# Altium PCB PCB_LoraRemote.PcbDoc (continued)
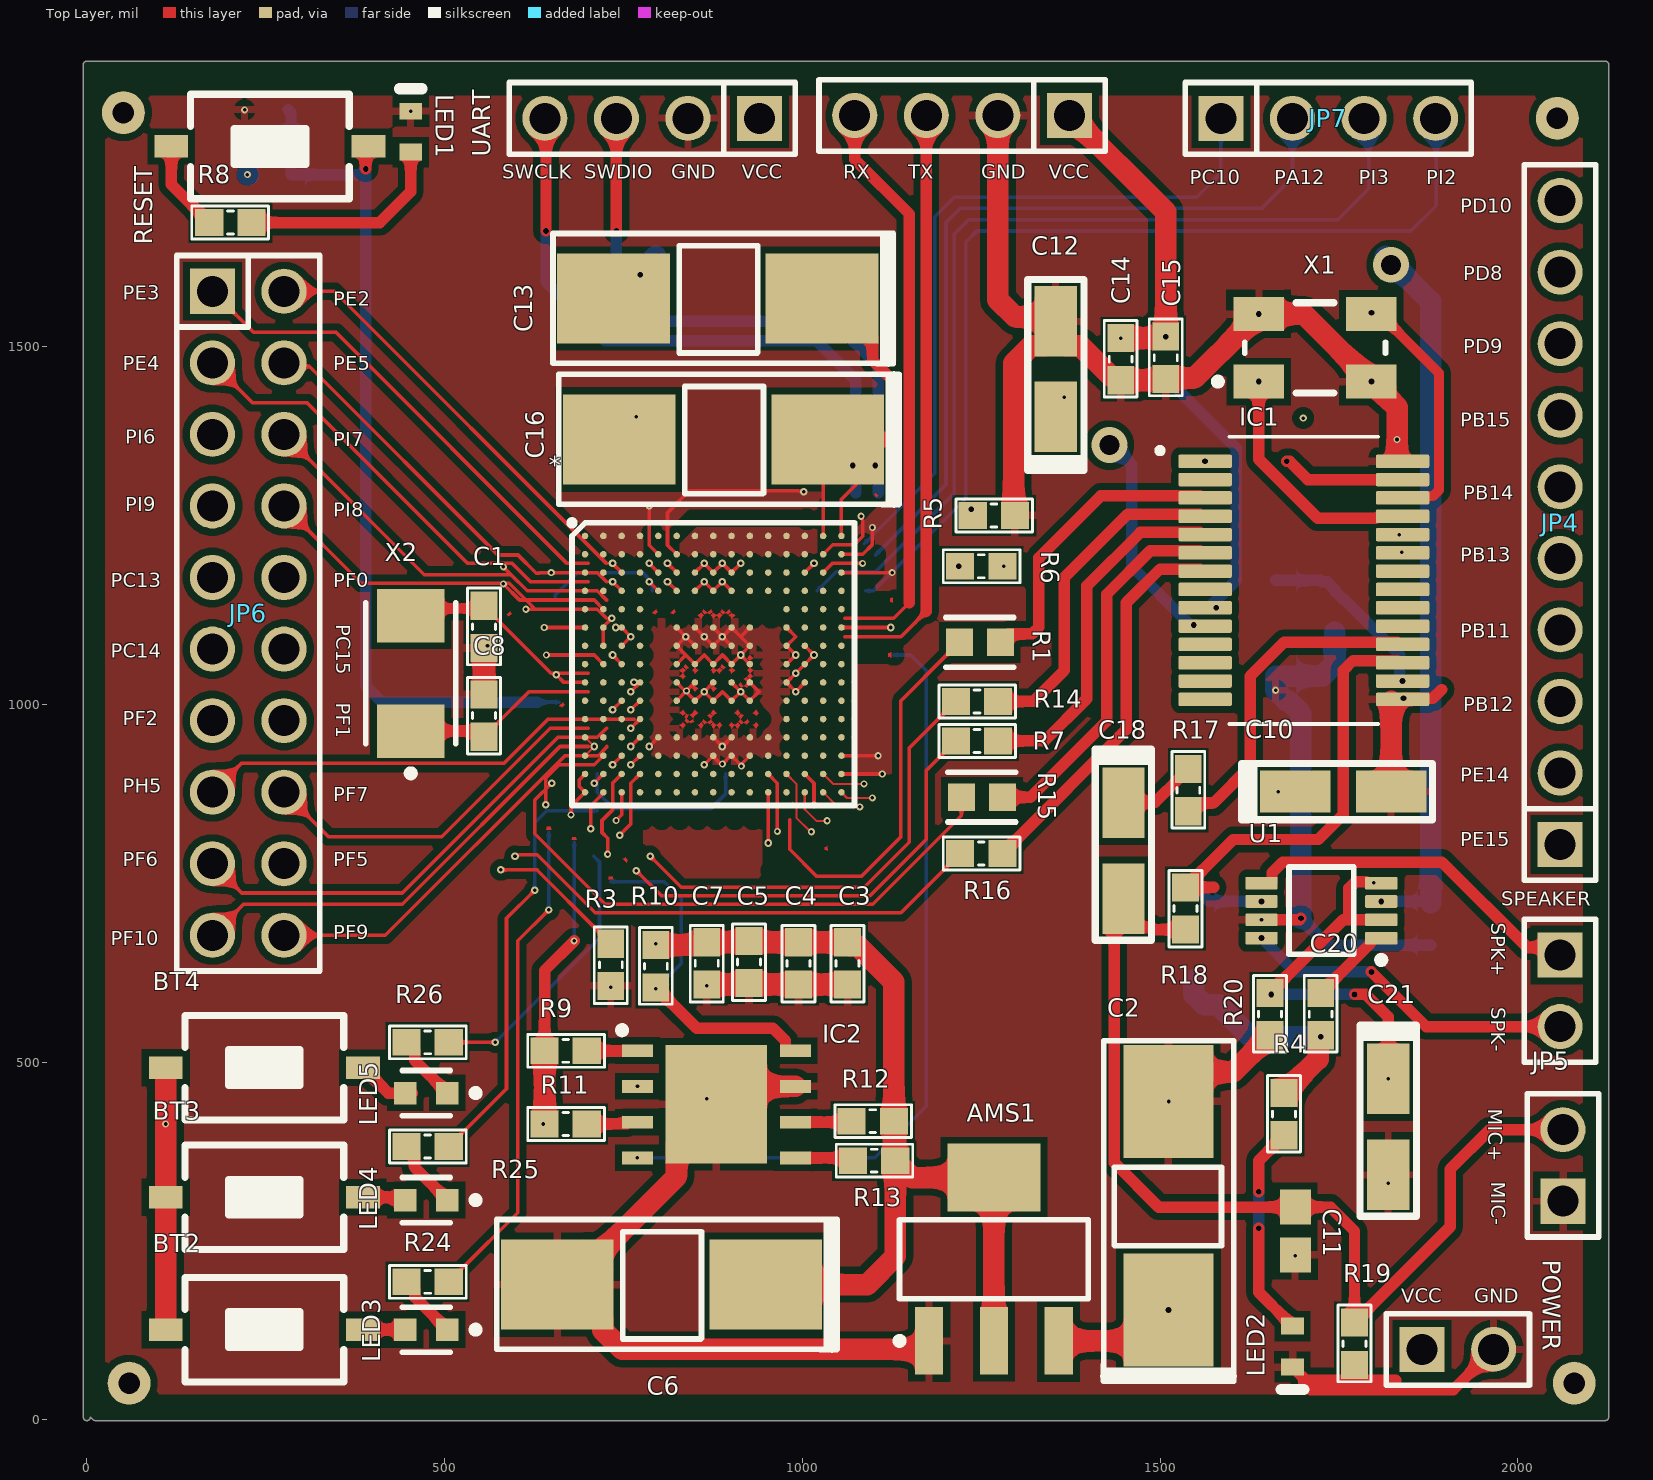
[diagram p0: Top Layer view]
## Footprints (in the part's own frame and the unit in brackets; to place one, negate y for a bottom-side part, rotate by r counter-clockwise, add the part's x,y. Pads: shape width x height; smd on the part's side, far side on the other; paste and mask are expansions set on the pad)
ABRA-ABM3-2_V [mm] "SMD, 2-Leads, Body 5x3.2mm, Pitch 4.1mm"
  rect 1.9x2.4 smd: 1(-2.05,0) 2(2.05,0)
  silkscreen extent -3.67,-1.6 2.5,1.6, body extent -2.5,-1.6 2.5,1.6, height 1.3
ABRA-ABM3B-4_V [mm] "SMD, 4-Leads, Body 5x3.2mm"
  rect 1.8x1.2 smd: 1(-2,-1.2) 2(2,-1.2) 3(2,1.2) 4(-2,1.2)
  silkscreen extent -3.57,-1.6 2.5,1.6, body extent -2.5,-1.59 2.5,1.59, height 1.13
CAPC1608X90X35ML15T15 [mm] "Chip Capacitor, 2-Leads, Body 1.60x0.81mm, IPC Low Density"
  rect 1.25x1.1 smd: 1(-0.85,0) 2(0.85,0)
  body extent -0.88,-0.48 0.87,0.48, height 0.9
DGK0008A_L [mm] "TSOP, 8-Leads, Body 3.1x3.1mm, Pitch 0.65mm, IPC High Density"
  rrect22% 1.15x0.45 smd: 1(-2.125,0.975) 2(-2.125,0.325) 3(-2.125,-0.325) 4(-2.125,-0.975) 5(2.125,-0.975) 6(2.125,-0.325) 7(2.125,0.325) 8(2.125,0.975)
  silkscreen extent -2.25,-1.55 1.15,1.87, body extent -2.45,-1.5 2.45,1.5, height 0.94
FP-CRCW0603-HPe3-IPC_B [mil]
  rect 37.72x37.88 smd paste+0 mask+0: 1(-28.62,0) 2(28.62,0)
  silkscreen extent -47,-35 47,35, body extent -57,-29 57,29, height 10
FP-LTST-C191TBKT-MFG [mm]
  rect 0.8x0.8 smd paste+0 mask+0: 1(-0.75,0) 2(0.75,0)
  silkscreen extent -1.88,-0.8 0.85,0.8, body extent -1.25,-0.55 1.25,0.55, height 0.25
"JP 1x2 DT" [mm] "2 pins, 1 row, straight, gold plating"
  rect 1.6x1.6 hole 1.1: 1(0,0)
  round 1.6 hole 1.1: 2(2.54,0)
  silkscreen extent -1.27,-1.27 3.81,1.27, body extent -1.27,-1.27 3.81,1.27, height 8.54
"JP 1x4 DT" [mm] "4 pins, 1 row, straight, gold plating"
  rect 1.6x1.6 hole 1.1: 1(0,0)
  round 1.6 hole 1.1: 2(2.54,0) 3(5.08,0) 4(7.62,0)
  silkscreen extent -1.27,-1.27 8.89,1.27, body extent -1.27,-1.27 8.89,1.27, height 8.54
"JP 1x10 DT" [mm] "10 pins, 1 row, straight, gold plating"
  rect 1.6x1.6 hole 1.1: 1(0,0)
  round 1.6 hole 1.1: 2(2.54,0) 3(5.08,0) 4(7.62,0) 5(10.16,0) 6(12.7,0) 7(15.24,0) 8(17.78,0) 9(20.32,0) 10(22.86,0)
  silkscreen extent -1.27,-1.27 24.13,1.27, body extent -1.27,-1.27 24.13,1.27, height 8.54
"JP 2x10 DT" [mm] "20 pins, dual pin, straight, gold plating"
  rect 1.6x1.6 hole 1.1: 1(-11.43,-1.27)
  round 1.6 hole 1.1: 2(-8.89,-1.27) 3(-6.35,-1.27) 4(-3.81,-1.27) 5(-1.27,-1.27) 6(1.27,-1.27) 7(3.81,-1.27) 8(6.35,-1.27) 9(8.89,-1.27) 10(11.43,-1.27) 11(11.43,1.27) 12(8.89,1.27) 13(6.35,1.27) 14(3.81,1.27) 15(1.27,1.27) 16(-1.27,1.27) 17(-3.81,1.27) 18(-6.35,1.27) 19(-8.89,1.27) 20(-11.43,1.27)
  silkscreen extent -12.7,-2.54 12.7,2.54, body extent -12.7,-2.54 12.7,2.54, height 8.55
"Nut Nhan 2 Chan SMD 3x6x2.5" [mm] "Switch SMD type"
  rect 1.2x0.8 smd: 1(-3.5,0) 2(3.5,0)
  silkscreen extent -2.82,-1.85 2.82,1.85, body extent -3.05,-1.85 3.05,1.85, height 2.5
SON127P600X500X100-9N-D [mm]
  rect 1.1x0.45 smd: 1(-2.8,1.905) 2(-2.8,0.635) 3(-2.8,-0.635) 4(-2.8,-1.905) 5(2.8,-1.905) 6(2.8,-0.635) 7(2.8,0.635) 8(2.8,1.905)
  rect 3.6x4.2 smd: 9(0,0)
  silkscreen extent -3.47,2.51 -3.22,2.75, body extent -3.05,-2.5 3.05,2.5, height 1
SOT223 [mm]
  rect 1x2.4 smd: 1(-2.3,-2.9) 2(0,-2.9) 3(2.3,-2.9)
  rect 3.3x2.4 smd: 4(0,2.9)
  silkscreen extent -3.47,-3.02 3.35,1.4, body extent -3.25,-3.56 3.25,3.4, height 1.68
stm32f407BGA176 [mm]
  round 0.232 smd: A1(-4.55,4.55) A2(-3.9,4.55) A3(-3.25,4.55) A4(-2.6,4.55) A5(-1.95,4.55) A6(-1.3,4.55) A7(-0.65,4.55) A8(0,4.55) A9(0.65,4.55) A10(1.3,4.55) A11(1.95,4.55) A12(2.6,4.55) A13(3.25,4.55) A14(3.9,4.55) A15(4.55,4.55) B1(-4.55,3.9) B2(-3.9,3.9) B3(-3.25,3.9) B4(-2.6,3.9) B5(-1.95,3.9) B6(-1.3,3.9) B7(-0.65,3.9) B8(0,3.9) B9(0.65,3.9) B10(1.3,3.9) B11(1.95,3.9) B12(2.6,3.9) B13(3.25,3.9) B14(3.9,3.9) B15(4.55,3.9) C1(-4.55,3.25) C2(-3.9,3.25) C3(-3.25,3.25) C4(-2.6,3.25) C5(-1.95,3.25) C6(-1.3,3.25) C7(-0.65,3.25) C8(0,3.25) C9(0.65,3.25) C10(1.3,3.25) C11(1.95,3.25) C12(2.6,3.25) C13(3.25,3.25) C14(3.9,3.25) C15(4.55,3.25) D1(-4.55,2.6) D2(-3.9,2.6) D3(-3.25,2.6) D4(-2.6,2.6) D5(-1.95,2.6) D6(-1.3,2.6) D7(-0.65,2.6) D8(0,2.6) D9(0.65,2.6) D10(1.3,2.6) D11(1.95,2.6) D12(2.6,2.6) D13(3.25,2.6) D14(3.9,2.6) D15(4.55,2.6) E1(-4.55,1.95) E2(-3.9,1.95) E3(-3.25,1.95) E4(-2.6,1.95) E12(2.6,1.95) E13(3.25,1.95) E14(3.9,1.95) E15(4.55,1.95) F1(-4.55,1.3) F2(-3.9,1.3) F3(-3.25,1.3) F4(-2.6,1.3) F6(-1.3,1.3) F7(-0.65,1.3) F8(0,1.3) F9(0.65,1.3) F10(1.3,1.3) F12(2.6,1.3) F13(3.25,1.3) F14(3.9,1.3) F15(4.55,1.3) G1(-4.55,0.65) G2(-3.9,0.65) G3(-3.25,0.65) G4(-2.6,0.65) G6(-1.3,0.65) G7(-0.65,0.65) G8(0,0.65) G9(0.65,0.65) G10(1.3,0.65) G12(2.6,0.65) G13(3.25,0.65) G14(3.9,0.65) G15(4.55,0.65) H1(-4.55,0) H2(-3.9,0) H3(-3.25,0) H4(-2.6,0) H6(-1.3,0) H7(-0.65,0) H8(0,0) H9(0.65,0) H10(1.3,0) H12(2.6,0) H13(3.25,0) H14(3.9,0) H15(4.55,0) J1(-4.55,-0.65) J2(-3.9,-0.65) J3(-3.25,-0.65) J4(-2.6,-0.65) J6(-1.3,-0.65) J7(-0.65,-0.65) J8(0,-0.65) J9(0.65,-0.65) J10(1.3,-0.65) J12(2.6,-0.65) J13(3.25,-0.65) J14(3.9,-0.65) J15(4.55,-0.65) K1(-4.55,-1.3) K2(-3.9,-1.3) K3(-3.25,-1.3) K4(-2.6,-1.3) K6(-1.3,-1.3) K7(-0.65,-1.3) K8(0,-1.3) K9(0.65,-1.3) K10(1.3,-1.3) K12(2.6,-1.3) K13(3.25,-1.3) K14(3.9,-1.3) K15(4.55,-1.3) L1(-4.55,-1.95) L2(-3.9,-1.95) L3(-3.25,-1.95) L4(-2.6,-1.95) L12(2.6,-1.95) L13(3.25,-1.95) L14(3.9,-1.95) L15(4.55,-1.95) M1(-4.55,-2.6) M2(-3.9,-2.6) M3(-3.25,-2.6) M4(-2.6,-2.6) M5(-1.95,-2.6) M6(-1.3,-2.6) M7(-0.65,-2.6) M8(0,-2.6) M9(0.65,-2.6) M10(1.3,-2.6) M11(1.95,-2.6) M12(2.6,-2.6) M13(3.25,-2.6) M14(3.9,-2.6) M15(4.55,-2.6) N1(-4.55,-3.25) N2(-3.9,-3.25) N3(-3.25,-3.25) N4(-2.6,-3.25) N5(-1.95,-3.25) N6(-1.3,-3.25) N7(-0.65,-3.25) N8(0,-3.25) N9(0.65,-3.25) N10(1.3,-3.25) N11(1.95,-3.25) N12(2.6,-3.25) N13(3.25,-3.25) N14(3.9,-3.25) N15(4.55,-3.25) P1(-4.55,-3.9) P2(-3.9,-3.9) P3(-3.25,-3.9) P4(-2.6,-3.9) P5(-1.95,-3.9) P6(-1.3,-3.9) P7(-0.65,-3.9) P8(0,-3.9) P9(0.65,-3.9) P10(1.3,-3.9) P11(1.95,-3.9) P12(2.6,-3.9) P13(3.25,-3.9) P14(3.9,-3.9) P15(4.55,-3.9) R1(-4.55,-4.55) R2(-3.9,-4.55) R3(-3.25,-4.55) R4(-2.6,-4.55) R5(-1.95,-4.55) R6(-1.3,-4.55) R7(-0.65,-4.55) R8(0,-4.55) R9(0.65,-4.55) R10(1.3,-4.55) R11(1.95,-4.55) R12(2.6,-4.55) R13(3.25,-4.55) R14(3.9,-4.55) R15(4.55,-4.55)
  silkscreen extent -5.12,-5.02 5.02,5.12, body extent -5,-5 5,5, height 0.6
"tro smd 0603" [mm] "Chip Capacitor, 2-Leads, Body 1,60x0,80mm, IPC Medium Density"
  rect 1x0.95 smd mask+0.076: 1(-0.75,0) 2(0.75,0)
  silkscreen extent -1.35,-0.58 1.37,0.58, body extent -0.82,-0.42 0.82,0.43, height 0.44
"tu 0603" [mm] "Chip Capacitor, 2-Leads, Body 1,60x0,80mm, IPC Medium Density"
  rect 1x0.95 smd mask+0.076: 1(-0.75,0) 2(0.75,0)
  silkscreen extent -1.35,-0.58 1.37,0.58, body extent -0.8,-0.4 0.8,0.4, height 0.9
"tu tantalum smd3216" [mm]
  rect 2.5x1.5 smd: 1(-1.7,0) 2(1.7,0)
  silkscreen extent -3.61,-1 3.17,1, body extent -1.7,-0.9 1.7,0.9, height 1.69
"tu tantalum smd7343" [mm]
  rect 4x3.2 smd: 1(-3.7,0) 2(3.7,0)
  silkscreen extent -6.23,-2.31 5.85,2.31, body extent -3.75,-2.33 3.85,2.27, height 3.99
VISH-TLMS1000_V [mm] "SMD, 2-Leads, Body 0.8x1.6mm"
  rect 0.6x0.8 smd: 1(-0.725,0) 2(0.725,0)
  silkscreen extent 1.52,-0.4 1.52,0.4, body extent -0.8,-0.4 0.8,0.4, height 0.65
VISH-TLMY1000_V [mm] "SMD, 2-Leads, Body 1.6x0.8mm"
  rect 0.6x0.8 smd: 1(-0.725,0) 2(0.725,0)
  silkscreen extent 1.53,-0.4 1.53,0.4, body extent -0.8,-0.4 0.8,0.4, height 0.65
WM8731_SSOP [mm]
  rrect25% 1.9x0.48 smd: 1(-3.505,4.225) 2(-3.505,3.575) 3(-3.505,2.925) 4(-3.505,2.275) 5(-3.505,1.625) 6(-3.505,0.975) 7(-3.505,0.325) 8(-3.505,-0.325) 9(-3.505,-0.975) 10(-3.505,-1.625) 11(-3.505,-2.275) 12(-3.505,-2.925) 13(-3.505,-3.575) 14(-3.505,-4.225) 15(3.505,-4.225) 16(3.505,-3.575) 17(3.505,-2.925) 18(3.505,-2.275) 19(3.505,-1.625) 20(3.505,-0.975) 21(3.505,-0.325) 22(3.505,0.325) 23(3.505,0.975) 24(3.505,1.625) 25(3.505,2.275) 26(3.505,2.925) 27(3.505,3.575) 28(3.505,4.225)
  silkscreen extent -5.2,-5.1 2.65,5.1, body extent -3.9,-5.1 3.9,5.1, height 2

## Part data
AMS1: library part "AMS1117 SMD", "Dán", Chung_Loai=Dán, Don_Vi=Con, Ma_Hang=MH000596
C1 C8 C17 C19: library part "Tu 0603 22pF 50V 10%", "Dán", Chung_Loai=Dán, Don_Vi=Con, Ma_Hang=MH004570, So_Chan=2, Ten_Linh_Kien="Tụ 0603 22pF 50V 10%"
C2 C6: library part "Tu tantalum 470uF 10V SMD7343", "Dán", Chung_Loai=Dán, Don_Vi=Con, Ma_Hang=MH001956, So_Chan=2, Ten_Linh_Kien="Tụ tantalum 477A-470uF 10V SMD7343"
C3 C4 C5 C7 C9 C14 C15 C22: library part "Tu 0603 104 50V 10%", "Dán", Chung_Loai=Dán, Don_Vi=Con, Ma_Hang=MH004568, So_Chan=2, Ten_Linh_Kien="Tụ 0603 104-100nF 10% 50V"
C10 C12 C24: library part "Tu tantalum 10uF 16V SMD3216", "Dán", Chung_Loai=Dán, Don_Vi=Con, Ma_Hang=MH001954, So_Chan=2, Ten_Linh_Kien="Tụ tantalum 106C-10uF 16V SMD3216"
C11: library part CMP-2006-04408-1, Manufacturer="AVX Interconnect / Elco", Part Number=06035C221KAT2A
C13 C16: library part "Tu tantalum 220uF 10V SMD7343", "Dán", Chung_Loai=Dán, Don_Vi=Con, Ma_Hang=MH007496, So_Chan=2, Ten_Linh_Kien="Tụ tantalum 227A-220uF 10V SMD 7343"
C18: library part "Tu tantalum 1uF 25V SMD3216", "Dán", Chung_Loai=Dán, Don_Vi=Con, Ma_Hang=MH007472, So_Chan=2, Ten_Linh_Kien="Tụ tantalum 105E-1uF 25V SMD3216"
C20: library part "Tu 0603 105 16V 20%", "Dán", Chung_Loai=Dán, Don_Vi=Con, Ma_Hang=MH004574, So_Chan=2, Ten_Linh_Kien="Tụ 0603 105-1uF 20% 16V"
C21 C23: library part "Tu tantalum 1uF 35V SMD3216", "Dán", Chung_Loai=Dán, Don_Vi=Con, Ma_Hang=MH007471, So_Chan=2, Ten_Linh_Kien="Tụ tantalum 105V-1uF 35V SMD3216"
IC1: library part WM8731_SSOP
IC2: "Integrated Circuit", Manufacturer_Name="Adesto Technologies", Mouser Part Number=556-AT45DB321D-MU, Datasheet Link=https://www.adestotech.com/wp-content/uploads/doc3597.pdf, HEIGHT=1mm, Manufacturer_Part_Number=AT45DB321D-MU, Mouser Price/Stock=https://www.mouser.co.uk/ProductDetail/Adesto-Technologies/AT45DB321D-MU?qs=S%2FDyAMLKE9jfaspXvIc%252B6Q%3D%3D
JP4: library part "JP 1x10 2.54 Duc Thang", "Cắm", Chung_Loai=Cắm, Don_Vi=Con, Ma_Hang=MH000903, Ten_Linh_Kien="Jump Đơn Đực 2.54MM 1x40P Thẳng 11MM"
JP5 POWER SPEAKER: library part "JP 1x2 2.54 Duc Thang", "Cắm", Chung_Loai=Cắm, Don_Vi=Con, Ma_Hang=MH000903, Ten_Linh_Kien="Jump Đơn Đực 2.54MM 1x40P Thẳng 11MM"
JP6: library part "JP 2x10 2.54 Duc Thang", "Cắm", Chung_Loai=Cắm, Don_Vi=Con, Ma_Hang=MH002686, Ten_Linh_Kien="Jump Đôi Đực 2.54MM 2x40P Thẳng 11MM"
JP7 UART ?: library part "JP 1x4 2.54 Duc Thang", "Cắm", Chung_Loai=Cắm, Don_Vi=Con, Ma_Hang=MH000903, Ten_Linh_Kien="Jump Đơn Đực 2.54MM 1x40P Thẳng 11MM"
LED1: library part CMP-2000-07255-1, "Low Current LED, 40 mW, -40 to 100 degC, 2-Pin SMD, RoHS, Tape and Reel", Forward Current If=2mA, Forward Voltage=1.8V, LED Colour=Yellow, Manufacturer=Vishay, Package Description="2-Pin Surface Mount Device, Body 1.6 x 0.8 mm", Package Reference=TLMY1000, Automotive Qualification Standard=AEC-Q100, Bulb Size=1.6mmx0.8mm, Datasheet URL=http://www.vishay.com/docs/83172/tlmo1000.pdf, Datasheet Version="Rev. 2.0, 09/2013", LED Mounting=SMD, Lens Shape=Rectangular, Luminous Intensity=7.5mcd, Manufacturer URL=http://www.vishay.com/, Mounting Technology=SurfaceMount, MSL=MSL2-1year, Packaging=CutTape, Product Range=-, SVHC=ToBeAdvised, Viewing Angle=80°, Wavelength Typ=595nm
LED2: library part CMP-2000-07254-1, "Low Current LED, 40 mW, 1.8 V, -40 to 100 degC, 2-Pin SMD (0603), RoHS, Tape and Reel", Forward Current If=2mA, Forward Voltage=1.8V, LED Colour=Red, Manufacturer=Vishay, Package Description="2-Pin Surface Mount Device, Body 1.6 x 0.8 mm", Package Reference=TLMS1000, Automotive Qualification Standard=AEC-Q100, Bulb Size=1.6mmx0.8mm, Datasheet URL=https://datasheet.ciiva.com/5798/1698881-5798337.pdf, Datasheet Version="Rev. 1.7, 02/2011", LED Mounting=SMD, Lens Shape=Rectangular, Luminous Intensity=4mcd, Manufacturer URL=http://www.vishay.com/, Mounting Technology=SurfaceMount, MSL=MSL2-1year, Packaging=CutTape, Product Range=-, SVHC=ToBeAdvised, Viewing Angle=80°, Wavelength Typ=636nm
LED3 LED4 LED5: library part CMP-22017-000008-1, "LED BLUE CLEAR CHIP SMD", Case Code (Imperial)=0603, Case Code (Metric)=1608, Color=Blue, Forward Current=20mA, Forward Voltage=3.8V, Lens Color=Colorless, Max Operating Temperature=80°C, Max Power Dissipation=75mW, Min Operating Temperature=-20°C, Package Quantity=1, Power Dissipation=76mW, Reverse Voltage=5V, Case/Package=0603, Depth=1.6mm, Dominant Wavelength=475nm, HEIGHT=0.55mm, Illumination Color=Blue, Lead Free="Lead Free", Length=0.8mm, Lens Style=Diffused, Lens Transparency=Clear, Luminous Intensity=180mcd, Mount="Surface Mount", Number of Elements=1, Number of LEDs=1, Number of Pins=2, Packaging="Tape and Reel", Radiation Hardening=No, Test Current=20mA, Viewing Angle=130°, Wavelength=468nm, Width=0.8mm
R1 R7: library part CMP-02407-007306-1, "RES Thick Film, 27Ω, 1%, 0.33W, 100ppm/°C, 0603", Case Code (Imperial)=0603, Case Code (Metric)=1608, Max Operating Temperature=155°C, Max Power Dissipation=250mW, Min Operating Temperature=-55°C, Package Quantity=5000, Temperature Coefficient=100ppm/°C, Tolerance=1%, Voltage Rating=75V, Case/Package=0603, Composition="Thick Film", Contact Plating=Tin, Depth=0.85mm, Features="Automotive AEC-Q200", HEIGHT=0.45mm, Lead Free="Lead Free", Length=1.6mm, Military Standard=Not, Mount="Surface Mount", Number of Terminations=2, Packaging="Tape and Reel", Power Rating=250mW, Radiation Hardening=No, Resistance=27R, Termination=SMD/SMT, Voltage Rating (DC)=75V, Width=0.033inch
R2: library part "Tro 0603 5% 10k", "Dán", Chung_Loai=Dán, Don_Vi=Con, Ma_Hang=MH006316, So_Chan=2, Ten_Linh_Kien="Trở 0603 5% 10k"
R3 R5 R6 R9 R10 R11 R12 R13: library part "Tro 0603 1% 10k", "Dán", Chung_Loai=Dán, Don_Vi=Con, Ma_Hang=MH006333, So_Chan=2, Ten_Linh_Kien="Trở 0603 1% 10k"
R4 R8 R24 R25 R26: library part "Tro 0603 5% 220R", "Dán", Chung_Loai=Dán, Don_Vi=Con, Ma_Hang=MH006322, So_Chan=2, Ten_Linh_Kien="Trở 0603 5% 220R"
R14 R15 R16: library part "Tro 0603 1% 1k", "Dán", Chung_Loai=Dán, Don_Vi=Con, Ma_Hang=MH006334, So_Chan=2, Ten_Linh_Kien="Trở 0603 1% 1k"
R17: library part "Tro 0603 5% 330R", "Dán", Chung_Loai=Dán, Don_Vi=Con, Ma_Hang=MH006910, So_Chan=2, Ten_Linh_Kien="Trở 0603 5% 330R"
R18: library part "Tro 0603 1% 680R", "Dán", Chung_Loai=Dán, Don_Vi=Con, Ma_Hang=MH006336, So_Chan=2, Ten_Linh_Kien="Trở 0603 1% 680R"
R19 R20 R21: library part "Tro 0603 5% 47k", "Dán", Chung_Loai=Dám, Don_Vi=Con, Ma_Hang=MH007665, So_Chan=2, Ten_Linh_Kien="Trở 0603 5% 47k"
U1: library part CMP-0057-00542-3, "3W Audio Power Amplifier with Shutdown Mode, 8-pin Mini SOIC, Pb-Free", Manufacturer="Texas Instruments", PackageTopMarking=ZXTT*G71, PowerWise=N, Code_JEDEC=MO-187-AA, ComponentLink1Description="Datasheet URL", ComponentLink1URL=http://www.ti.com/general/docs/lit/getliterature.tsp?genericPartNumber=LM4871&fileType=pdf, CompType="Audio IC", PackageDescription="MINI SOIC, .118 x .118 x .034in, 8 Lead, .0256in Pitch", PackageReference=DGK0008A, PinCount=8, RoHS=Y
X1: library part CMP-1688-00004-1, "Ceramic SMD Crystal, 12.288 MHz, +/- 20 ppm, 70 Ohm, -20 to 70 degC, 4-Pin SMD, RoHS, Tape and Reel", Case\Package=TO-236-3, Forward Voltage="1 V", Max Operating Temperature="125 degC", Max Surge Current="600 mA", Min Operating Temperature="-55 degC", Package Quantity=1, ComponentLink1Description="Manufacturer URL", ComponentLink1URL=http://www.abracon.com/, ComponentLink2Description=Datasheet, ComponentLink2URL=http://www.abracon.com/Resonators/abm3b.pdf, DatasheetVersion=Aug-15, Mount="Surface Mount", PackageDescription="4-Pin Surface Mount Device, Body 5 x 3.2 mm", PackageReference=ABM3B, Packaging="Tape and Reel", Pins=3, Radiation Hardening=No, REACH SVHC=Unknown, RoHSCompliant=true, Weight="0.00031 oz"
X2: library part CMP-2000-05033-1, "Miniature Ceramic Crystal, 8 MHz, -40 to 85 degC, 2-Pin SMD, RoHS, Tape and Reel", Case Height=1.3mm, Case Length=5mm, Case Width=3.2mm, Frequency=8MHz, Frequency Stability=30PPM, Load Capacitance=18pF, Manufacturer=ABRACON, Operating Temperature Range=-40Cto+85C, Package / Case=5mmx3.2mm, Package Description="2-Pin Surface Mount Device, Body 5 x 3.2 mm", Package Reference=ABM3-2, Tolerance=20PPM, Brand=ABRACON, Datasheet URL=http://www.farnell.com/datasheets/1754353.pdf, Datasheet Version=Sep-13, Dimensions=3.2mmWx5mmLx1.3mmH, ESR=140Ohms, Factory Pack Quantity=1000, Manufacturer URL=http://www.abracon.com/, Mounting Style=SMD/SMT, Package URL=http://www.abracon.com/Support/PackageDrawing/Resonators/ABM3.PDF, Packaging=Reel, Product Category=Crystals, RoHS=Details, Series=ABM3, Termination Style=SMD/SMT, Type=MiniatureCeramicCrystal
BT2 BT3 BT4 RESET: Ma_Hang=MH001036, Ten="Nút Nhấn 2 Chân 3x6x2.5MM SMD"

## Free pads (board coordinates)
  round 60 hole 30: 2(2055.12,1818.9) 3(2078.74,51.18) 4(59.06,51.18) 5(51.18,1826.77)

## Via types
v1: diameter 10, hole 5, Top Layer to Bottom Layer, tented both sides, 55 vias
v2: diameter 10.63, hole 5, Top Layer to Bottom Layer, tented both sides, 52 vias
v3: diameter 8, hole 8, Top Layer to Bottom Layer, tented both sides, 32 vias
v4: diameter 10, hole 5, Top Layer to Bottom Layer, 3 vias
v5: diameter 50, hole 28, Top Layer to Bottom Layer, tented both sides, 2 vias

## Nets (pads, with @x,y where several pads share a name; then routed paths per layer and width w, separated by ;. In a path a pad name is that pad's centre, name@x,y a point inside that pad or via, vN(x,y) a via of type N, cw(c..) or ccw(c..) an arc to the next point about the centre after c; other vN are vias at no path point)
3.3V: *.C1 *.C5 *.C7 *.C8 *.C9 *.C15 *.F3 *.G3 *.G13 *.H13 *.J12 *.J13 *.K4 *.N8 *.N9 *.N10 *.P1 *.R1 *.R3 ?.1 AMS1.2 AMS1.4 BT2.1 BT3.1 BT4.1 C3.1 C4.1 C5.1 C6.1 C7.1 C10.1 C12.1 C14.2 C15.2 C20.1 C23.1 IC1.1 IC1.27 R2.2 R4.2 R6.2 R9.1 R10.2 R11.1 R12.2 R13.2 UART.1 | length 8738.2
  Top Layer w5: v1(649.13,1184.06) *.C1 ; v1(676.69,845.47) 676.69,857.28 *.R1 688.5,884.84 688.5,894.69 *.P1 ; v1(739.69,837.6) 747.56,845.47 *.R3 ; *.G3 v2(760.35,1094.49) *.F3 ; v2(760.35,992.13) *.K4 ; v2(785.94,1196.85) *.C5 ; *.C7 v2(862.72,1196.85) *.C8 v2(888.31,1196.85) *.C9 v2(913.9,1196.85) ; v2(862.72,915.35) *.N8 875.51,927.03 877.58,924.96 877.58,924.9 887.13,915.35 v4(888.31,916.54) *.N9@899.92,928.15 ; *.N9 913.9,915.35 *.N10 ; *.J13 v2(990.67,1017.72) *.J12 v2(990.67,1043.31) *.H13 v2(1016.26,1068.9) *.G13 ; *.C15 v1(1125.51,1184.06)
  Top Layer w16: R9.1 639.76,627.95 v1(681.1,669.29) ; v3(1676.97,1339.57) 1680.91,1339.57 1706.5,1313.98 IC1.27
  Top Layer w30: BT2.1 BT3.1 v1(110.24,413.39) BT4.1@110.24,484.25 ; v1(637.8,413.39) R11.1 R9.1 ; R10.2@812.37,663.39 862.69,663.39 866.39,667.09 C7.1 C3.1 1063.24,666.4 1066.94,662.7 1077.46,662.7 1127.95,612.2 R12.2 1128.94,416.34 1128.94,363.19 R13.2 ; C6.1 1090.55,188.98 1129.92,228.35 R13.2 ; AMS1.2 AMS1.4 1153.54,338.58 1134.61,357.52 1134.61,358.5 1130.91,362.2 R13.2 ; ?.1 1507.87,1688.19 v3(1507.87,1513.78) 1505.91,1511.81 v1(1444.88,1511.81) ; R4.2 1673.23,457.68 1676.93,461.38 1677.91,461.38 1720.71,504.17 C20.1@1720.71,533.7
  Layer1_VCC w3: 1020.67,1030.51 1088.62,1030.51
  Layer1_VCC w5: 681.1,807.09 736.22,807.09 744.09,799.21 ; 790.35,1158.47 768.7,1158.47 764.76,1154.53 764.76,1056.1 779.53,1041.34 779.53,968.5 764.76,953.74 856.26,953.74 867.13,942.87 867.13,876.97 ; 918.31,1158.47 918.31,1091.69 930,1080 1000,1080 1020,1060 1020,1031.18 1020.67,1030.51 ; 1088.62,1030.51 1144.69,1030.51 1194.88,1080.71 1194.88,1145.67 ; 1129.92,1145.67 1194.88,1145.67 ; v1(1281.5,1192.91) 1275.59,1187.01 1275.59,1161.42 1259.84,1145.67 1194.88,1145.67
  Layer1_VCC w16: v3(1507.87,1513.78) 1555.12,1466.54 1555.12,1342.52 1669.29,1342.52 ; v1(1665.35,877.95) 1692.91,905.51 1692.91,1323.62 v3(1676.97,1339.57)
  Layer1_VCC w30: v1(110.24,413.39) v1(637.8,413.39) ; v1(224.41,1740.16) 267.72,1696.85 889.76,1696.85 923.23,1730.31 ; UART.1 940.16,1747.24 923.23,1730.31 ; v1(1281.5,1192.91) 1330.71,1192.91 1366.14,1228.35 v1(1366.14,1429.13) ; v1@1366.14,1433.07 v1(1444.88,1511.81) ; ?.1 1373.23,1747.89 1355.65,1730.31 923.23,1730.31 ; v1(1665.35,877.95) 1724.41,818.9 v3(1724.41,535.43)
  Layer2_GND w5: 744.09,799.21 744.09,842.52 755.91,854.33 862.2,854.33 866.14,858.27 866.14,875.98 867.13,876.97 ; 790.35,1158.47 803.15,1171.26 815.22,1171.26 ; 816.67,1171.26 854.33,1171.26 867.13,1158.47
  Layer2_GND w16: v1(681.1,669.29) 791.34,669.29 v1(795.28,665.35)
  Bottom Layer w5: 653.54,1145.67 654.42,1146.54 654.42,1152.47 686,1184.06 776.57,1184.06 790.35,1170.28 790.35,1158.47 ; v1(681.1,669.29) 681.1,807.09
  Bottom Layer w30: v1(224.41,1740.16) R2.2 ; C23.1 1547.24,594.49 1561.77,579.96 1581.46,579.96 1625.98,535.43 v3(1724.41,535.43)
  other v3: 1562.8,1339.57
  other v4: 914.88,913.58
5V: AMS1.3 C2.1 POWER.1 | length 548.6
  Top Layer w30: AMS1.3 1468.5,110.24 v3(1511.81,153.54)
  Layer2_GND w16: v3(1511.81,153.54) 1811.02,153.54 POWER.1
ADCLRC: *.N3 R16.1 | length 918.9
  Top Layer w5: v2(598.43,787.4) 599.5,788.48 603.12,788.48 604.17,789.53 629.76,789.53 651.73,767.56 710.63,708.66 1137.8,708.66 R16.1 ; v2(734.76,915.35) *.N3
  Layer1_VCC w5: v2(598.43,787.4) 598.43,842.52 629.76,873.86 632.87,876.97 739.17,876.97
BOOT0: *.D6 R5.1 | length 591.2
  Top Layer w5: v2(811.54,1171.26) *.D6 ; v3(1236.22,1272.64) 1236.22,1265.75 R5.1
  Layer1_VCC w3: 803.15,1232.28 803.15,1145.67 815.94,1132.87
  Layer1_VCC w5: 803.15,1232.28 838.74,1267.87 854.33,1283.46 1225.39,1283.46 v3(1236.22,1272.64)
BT1: *.N2 R24.2 | length 817.6
  Top Layer w5: R24.2 506.77,192.91 522.97,209.11 522.97,210.1 602.36,289.49 602.36,669.29 v1(645.67,712.6) ; v2(641.26,859.57) 641.26,896.65 659.96,915.35 709.17,915.35 *.N2
  Bottom Layer w5: v1(645.67,712.6) 645.67,767.56 645.67,821.18
BT2: *.P2 R25.2 | length 615.7
  Top Layer w5: R25.2 506.77,381.89 522.97,398.09 522.97,399.07 586.61,462.72 586.61,700.79 v1(625.98,740.16) ; v2(709.15,889.74) *.P2
  Bottom Layer w5: v1(625.98,740.16) 625.98,834.65 642.7,851.36 713.56,851.36
BT3: *.R2 R26.2 | length 447
  Top Layer w5: R26.2 v1(570.87,527.56) ; v2(704.25,825.79) 704.25,858.13 721.97,875.85 *.R2
  Bottom Layer w5: v1(570.87,527.56) 716.54,673.23 716.54,767.56 716.54,779.53 708.66,787.4
BYPASS: *.L4 R3.1 | length 529.1
  Top Layer w5: v2(578.74,768.48) 629.16,768.48 629.76,767.87 715.1,682.54 716.08,682.54 732.28,666.34 R3.1 ; v2(760.35,966.54) *.L4
  Layer1_VCC w3: 668.31,928.15 681.89,941.73 751.18,941.73 764.76,928.15
  Layer1_VCC w5: v2(578.74,768.48) 578.74,770 574.8,773.94 574.8,845.63 629.76,900.59 657.32,928.15 668.31,928.15
DACRLC: *.N4 R15.1 | length 736.9
  Top Layer w5: v2(760.35,915.35) *.N4 ; v2(767.87,767.56) 803.15,732.28 1094.49,732.28 1173.23,811.02 1173.23,907.48 1197.38,931.63 1197.38,932.62 1213.58,948.82 R15.1
  Layer1_VCC w3: 764.76,876.97 764.76,774.74 764.8,774.7 764.8,772.69 767.87,769.62 v2(767.87,767.56)
GND: *.D5 *.D7 *.D8 *.D9 *.F2 *.F6 *.F7 *.F8 *.F9 *.F10 *.F12 *.G2 *.G6 *.G7 *.G8 *.G9 *.G10 *.G12 *.H6 *.H7 *.H8 *.H9 *.H10 *.H12 *.J6 *.J7 *.J8 *.J9 *.J10 *.K6 *.K7 *.K8 *.K9 *.K10 *.M1 *.M8 *.M9 *.N1 ?.2 AMS1.1 C1.1 C2.2 C3.2 C4.2 C5.2 C6.2 C7.2 C8.1 C9.2 C10.2 C11.1 C12.2 C14.1 C15.1 C17.1 C19.1 C21.2 C22.2 C24.2 IC1.15 IC1.28 IC2.7 IC2.9 JP5.1 LED1.2 LED2.2 POWER.2 R3.2 R5.2 R19.1 R20.1 R21.1 U1.7 UART.2 X1.2 X1.4 | length 10372.8
  Top Layer w3: *.N1 v2(709.17,940.94) *.M1
  Top Layer w5: *.G2 *.F2 721.97,1108.15 v2(733.9,1120.08) ; v2(785.94,1171.26) *.D5 ; *.K6 v4(838.11,1018.7) ; *.J6 835.19,1019.66 837.15,1019.66 v4(838.11,1018.7) ; *.H6 837.13,1068.9 ; *.F6 v2(837.13,1094.49) ; *.J7 v4(838.11,1018.7) ; *.G7 v2(837.13,1094.49) ; *.F7 v2(862.72,1094.49) *.G8 v2(888.31,1094.49) ; *.D7 v2(862.72,1171.26) *.D8 v2(888.31,1171.26) *.D9 ; *.M8 v2(888.31,940.94) *.M9 ; *.J8 v2(862.72,1017.72) ; *.F8 v2(888.31,1094.49) ; *.J9 v2(913.9,1017.72) ; *.G9 v2(888.31,1094.49) ; *.J10 939.49,1017.72 *.K10 v2(913.9,1017.72) ; *.H10 v2(913.9,1068.9) ; *.F10 913.9,1094.49 ; *.H12 v2(990.67,1068.9) *.G12 990.67,1094.49 *.F12 ; 837.13,1068.9 *.H7 862.72,1068.9 *.H8 888.31,1068.9 *.H9 v2(913.9,1068.9) ; 837.13,1068.9 *.G6 v2(837.13,1094.49) ; v4(838.11,1018.7) 839.07,1017.74 839.07,1015.78 *.K7 v2(862.72,1017.72) ; v2(862.72,1017.72) *.K8 888.31,1017.72 *.K9 v2(913.9,1017.72) ; v2(888.31,1094.49) *.F9 913.9,1094.49 ; v2(913.9,1068.9) *.G10 913.9,1094.49
  Top Layer w16: v1(1641.73,698.82) 1694.88,698.82 v3(1696.85,700.79) ; LED2.2 1688.98,73.82 1692.79,70.01 1692.79,66.07 1700.79,58.07 ; 1829.21,55.12 1703.74,55.12 1700.79,58.07 ; v3(1840.23,1008.34) 1881.17,1008.34 1893.5,1020.67 ; POWER.2 1910.04,42.32 1710.16,42.32 1700.79,51.7 1700.79,58.07
  Top Layer w30: C8.1 C1.1 ; C6.2 C6.2@673.23,188.98 ; v1(866.14,448.82) 883.27,465.94 IC2.7 ; C7.2 C3.2 ; IC2.9@876.97,437.99 824.05,385.08 824.05,339.8 C6.2@673.23,188.98 ; AMS1.1 1177.17,103.11 1172.48,98.43 748.03,98.43 721.22,125.24 721.22,140.98 C6.2@673.23,188.98 ; ?.2 1273.23,1565.35 1297.38,1541.21 1348.56,1541.21 C12.2 C12.2@1354.33,1515.75 ; R5.2 1295.28,1265.75 1295.28,1476.38 1320.12,1501.22 1339.8,1501.22 C12.2@1354.33,1515.75 ; v1(1511.81,444.88) 1553.02,486.09 1602.23,486.09 1648.86,532.72 1649.84,532.72 1653.54,536.42 R20.1 ; C10.2 IC1.15@1822.83,1004.29 ; IC1.28@1831.1,1348.07 v1(1831.1,1370.08) 1831.1,1415.11 1815.71,1430.5 1815.71,1442.31 1807.09,1450.94 v3(1795.28,1450.94) 1783.46,1450.94 1774.84,1459.56 1774.84,1471.37 1700.79,1545.43 v3(1637.8,1545.43) 1625.98,1545.43 1617.36,1536.8 1617.36,1524.99 1548.5,1456.13 1509.28,1456.13 C15.1 1505.91,1452.76 C14.1 1444.88,1453.74 1441.18,1457.44 1432.32,1457.44 1388.54,1501.22 1368.86,1501.22 C12.2@1354.33,1515.75
  Layer1_VCC w3: 854.33,1145.67 867.13,1132.87
  Layer1_VCC w5: v1(560.04,1081.69) 738.31,1081.69
  Layer1_VCC w16: v1(1511.81,444.88) 1511.81,659.45 1551.18,698.82 v1(1641.73,698.82)
  Layer1_VCC w30: v1(1831.1,1370.08) 1900,1301.18 1900,1025.16
  Layer2_GND w5: 677.17,1142.83 738.31,1081.69 781.69,1081.69 ; 790.35,1132.87 790,1132.52 790,1090 781.69,1081.69 ; 841.53,1056.1 841.53,1068.47 828.31,1081.69 781.69,1081.69 ; 867.13,979.33 867.13,909.92 874.49,902.56 892.72,902.56 ; 867.13,1056.1 867.13,1132.87 ; 918.31,979.33 918.31,1030.51 995.08,1030.51